# Allegro board F407_PACK_V10A.brd (continued)
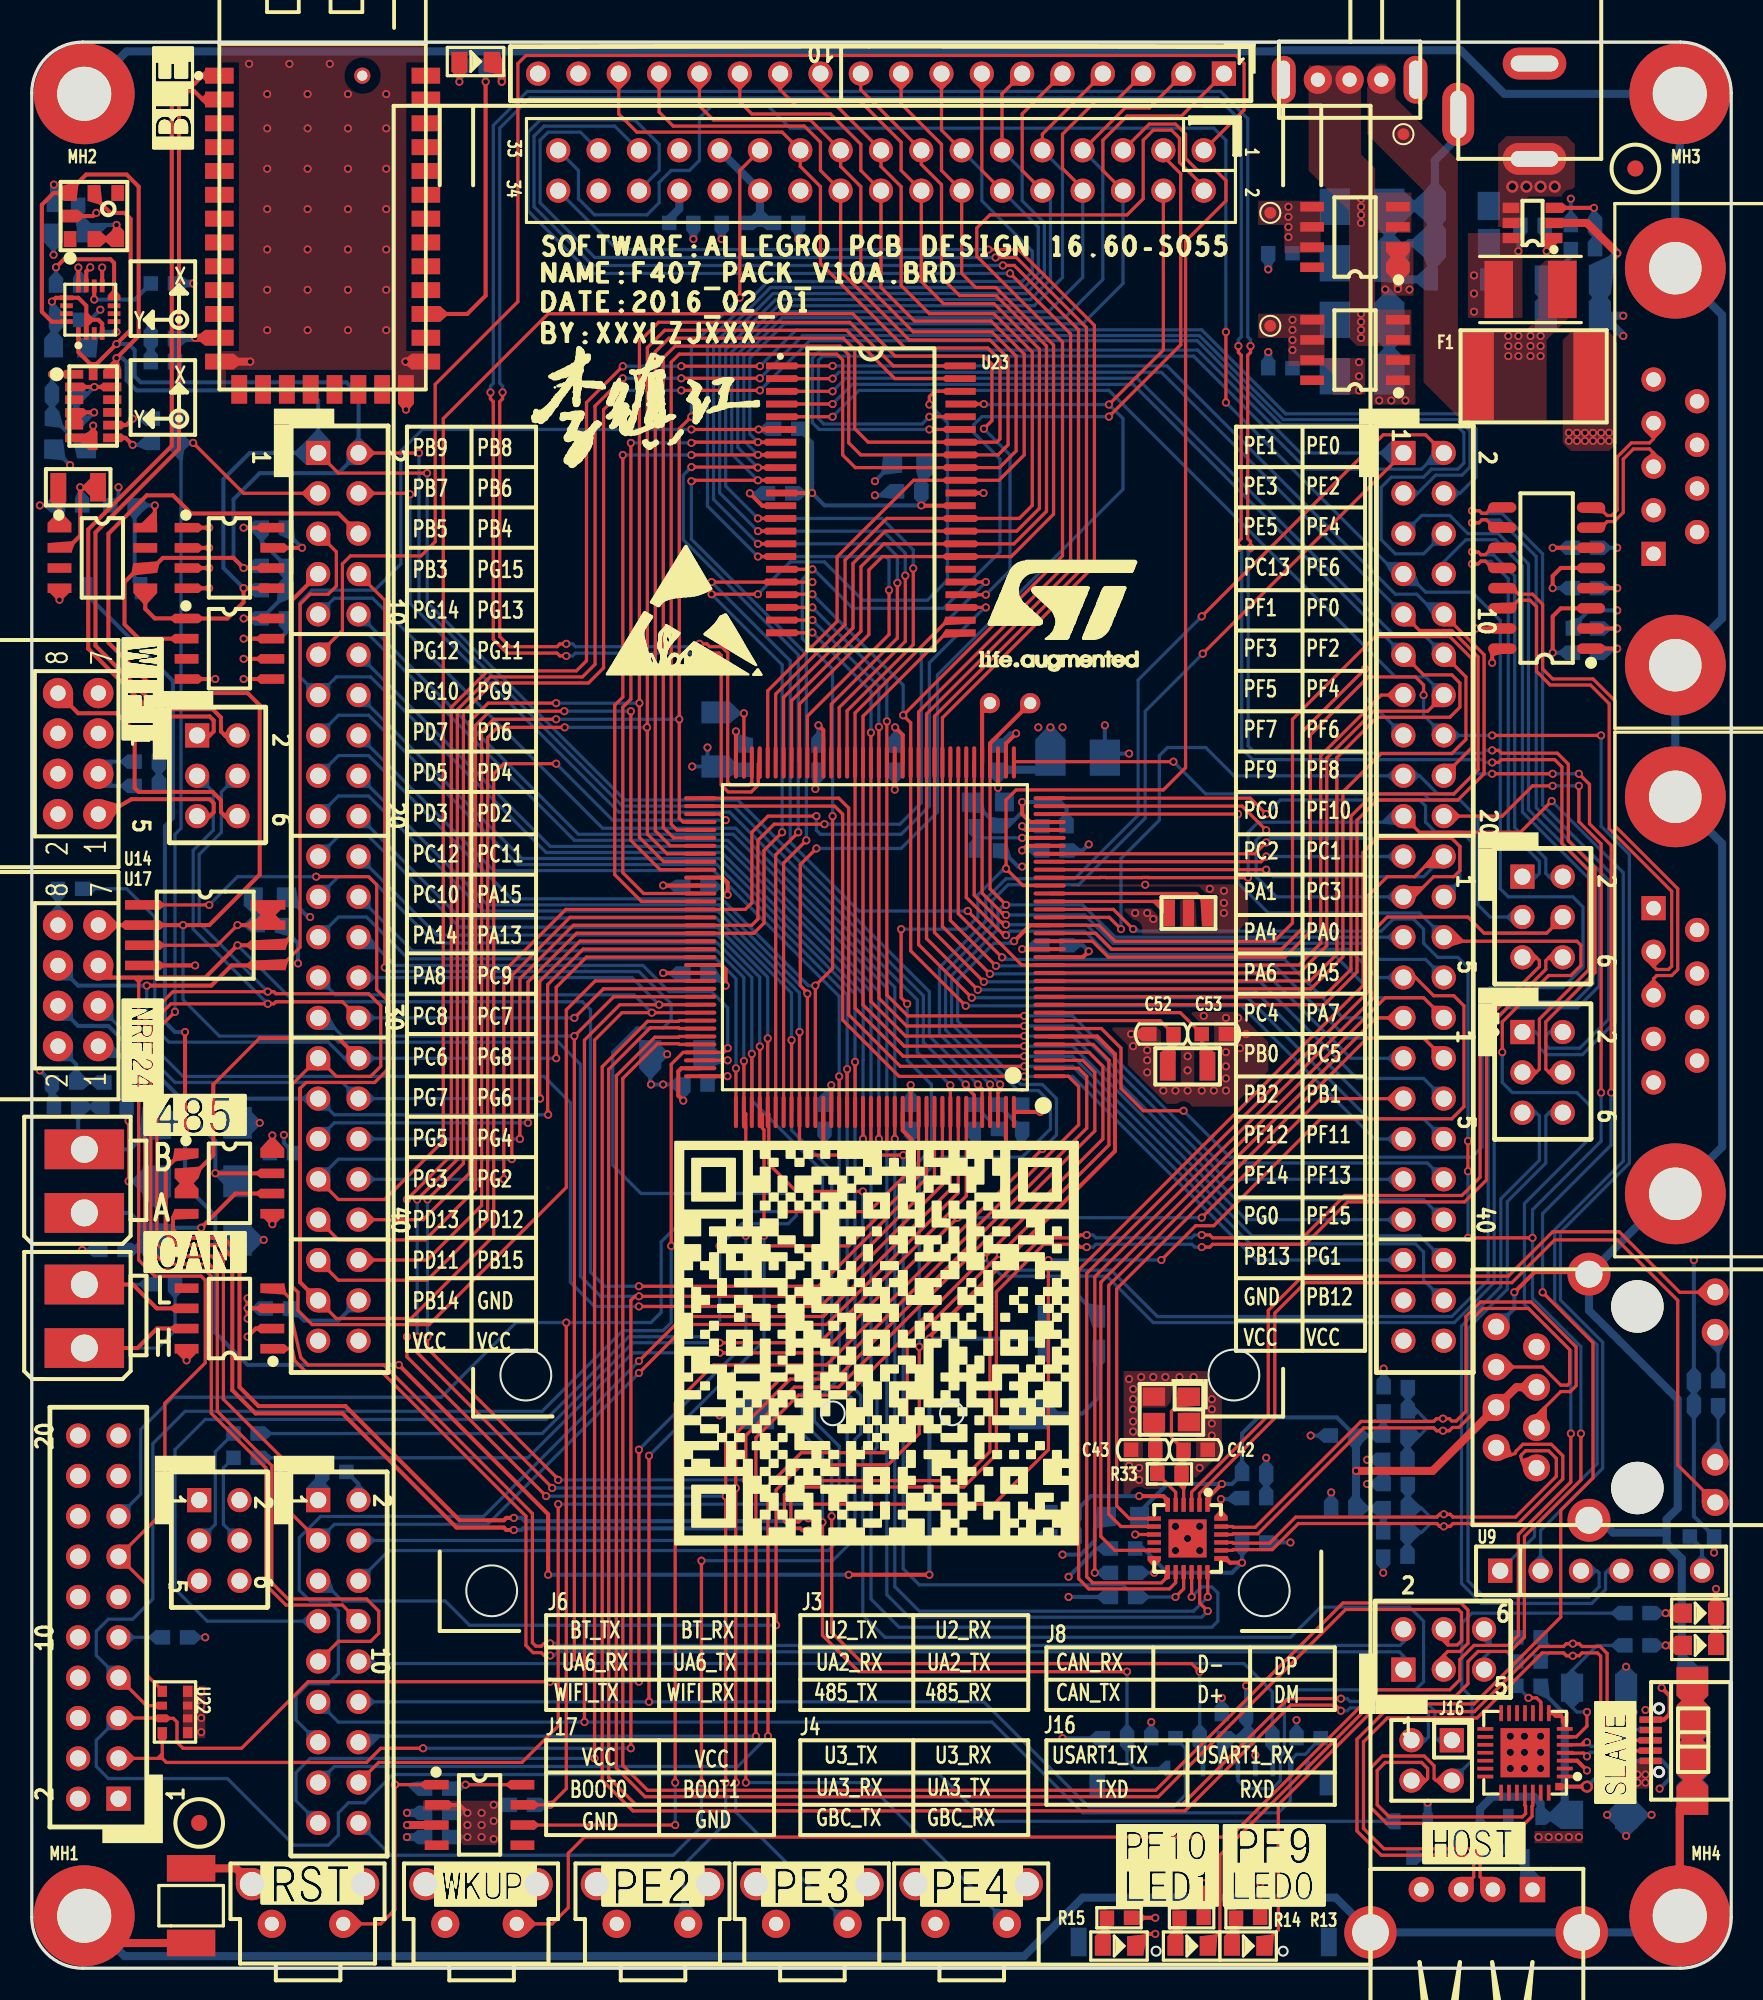
[diagram p0: board, top side]
## Routing (per net, layer and track width the routed paths; a pad name or vN(x,y) marks a point on that pad's centre or on a via; arc(x,y) is an arc through that point) (continued)
N11612127: length 2.2
  BOTTOM w0.508: USB3.1 93.98,5.46 93.98,6.99
N11615031: length 11.1
  TOP w0.254: v1(3.87,97.1) U16.7 3.67,96.33 U16.6 ; U16.1 v1(1.27,100.33)
  BOTTOM w0.254: v1(1.27,100.33) C32.2 C29.1 1.4,97.54 3.3,95.63 L3.1 3.87,96.04 v1(3.87,97.1)
N11623966: length 4.9
  TOP w0.203: U21.71 v1(44.84,78.99)
  BOTTOM w0.203: C58.1 43.11,78.99 v1(44.84,78.99)
N11629153:
  vias: v2(93.22,112.14) v2(94.11,112.14) v2(95,112.14) v2(95.89,112.14)
N11629321: length 1.7
  BOTTOM w0.254: v1(93.6,108.08) 93.6,109.6 C3.1
  vias: v1(90.81,106.55) v1(90.81,105.41) v1(90.81,104.27)
N11629345: length 5.1
  TOP w0.254: U2.3 v1(98.36,110.81)
  BOTTOM w0.254: R5.2 R4.1 98.36,109.79 v1(98.36,110.81)
N11637754: length 6.1
  TOP w0.203: v1(97.92,13.34) 97.71,13.54 96.62,13.54 96.59,13.56 U1.4
  BOTTOM w0.203: USB1.3 100.95,14.36 100.84,14.48 99.85,14.48 98.96,13.59 98.12,13.59 97.92,13.39 v1(97.92,13.34)
N11637758: length 6
  TOP w0.203: v1(97.92,14.22) 97.76,14.06 U1.5
  BOTTOM w0.203: USB1.2 100.99,15.01 100.84,14.86 99.69,14.86 98.81,13.97 98.17,13.97 v1(97.92,14.22)
N11638713: length 9.9
  TOP w0.203: U1.6 97.24,14.56 97.92,15.24 v1(97.92,16.13)
  BOTTOM w0.203: v1(97.92,16.13) 97.28,16.13 96.98,16.43 C2.1 96.98,18.75 98.55,20.32 R2.1
N11638764: length 2.7
  TOP w0.203: v1(94.23,17.02) 94.74,17.02 95.01,16.75 U1.9
  BOTTOM w0.203: v1(94.23,17.02) R3.1
N11638791: length 2.2
  TOP w0.203: v1(102.87,20.32) D2.1
  BOTTOM w0.203: R2.2 v1(102.87,20.32)
N11655091: length 7.3
  TOP w0.254: v1(1.52,107.06) 2.03,107.57 4.95,107.57 5.18,107.34 U18.8
  BOTTOM w0.254: v1(1.52,107.06) C37.2
N11655103: length 2.3
  TOP w0.254: U18.12 v1(2.93,107.05)
  BOTTOM w0.254: v1(2.93,107.05) 2.93,106.03 C37.1
N11655143: length 4.8
  TOP w0.254: U18.10 v1(3.93,105.03)
  BOTTOM w0.254: C36.2 6.48,105.03 v1(3.93,105.03)
N11655207: length 9
  TOP w0.254: 3.43,103.76 3.43,104.64 2.93,105.14 U18.13 1.51,105.14 v1(1.27,104.9) ; 3.43,103.76 4.19,103.76 4.43,103.52 U18.4 ; 3.43,103.76 U18.2
  BOTTOM w0.254: v1(1.27,104.9) 1.27,104.01 C35.1 1.37,103.61 L4.2
N11658313: length 2.3
  BOTTOM w0.254: U17.8 1.65,67.94
N11662281: length 6.5
  TOP w0.254: v1(5.33,109.73) 5.33,108.92 U19.3 U19.2
  BOTTOM w0.254: v1(5.33,109.73) 3.96,109.73 L5.2 2.92,109.75 C38.1
N109658590: length 2.3
  TOP w0.254: D11.1 v1(26.92,118.75)
  BOTTOM w0.254: R18.2 26.92,119.63 v1(26.92,118.75)
N115355290: length 5.9
  BOTTOM w0.203: J17.4 12.06,27.94 12.06,31.5 R43.1
N115355295: length 7.6
  BOTTOM w0.203: J17.3 11.56,27.94 11.56,32.51 R42.2
N115971308: length 2.9
  TOP w0.254: 98.17,84.33 v1(99.82,84.33)
  BOTTOM w0.254: v1(99.82,84.33) C17.2
N116149477: length 2.8
  TOP w0.254: v1(6.35,95.89) 5.91,96.33 U16.8
  BOTTOM w0.254: v1(6.35,95.89) 7.49,95.89 R22.1
N116149478: length 2.7
  TOP w0.254: v1(6.35,97.54) 5.94,97.13 U16.9
  BOTTOM w0.254: v1(6.35,97.54) R21.1
N116292693: length 2.9
  TOP w0.254: v1(95.38,108.08) 95.38,108.71 95.57,108.91 U2.1
  BOTTOM w0.254: C3.2 95.38,109.6 v1(95.38,108.08)
N116389271: length 2.2
  TOP w0.203: v1(102.87,22.35) D1.1
  BOTTOM w0.203: R1.2 v1(102.87,22.35)
N117249130: length 7.8
  BOTTOM w0.254: U26.1 66.17,34.92 67.18,35.94 D13.1

## Copper pours and planes (outline as drawn; the poured copper is in the pictures)
GND on TOP (solid shape): 70.08,2.13 70.17,2.09 70.21,2 69.98,0.79 69.45,1.37 68.96,2.01
GND on TOP (solid shape): 13.91,5.25 12.85,5.29 12.85,6.06 12.92,6.24 13.1,6.31 13.86,6.31
GND on TOP (solid shape): 29.82,119.43 29.75,119.23 29.57,119.15 28.45,119.41 28.91,120.06 29.46,120.62
GND on BOTTOM (solid shape): 14.45,53.29 14.48,53.21 14.45,53.14 13.85,52.54 12.92,53.21 13.85,53.89
GND on BOTTOM (solid shape): 14.59,45.93 14.62,45.85 14.59,45.77 13.85,45.03 12.92,45.85 13.85,46.66
GND on BOTTOM (solid shape): 39.64,56.64 39.02,55.97 38.94,55.94 38.86,55.97 38.24,56.64 38.94,57.56
GND on BOTTOM (solid shape): 100.31,19.08 100.38,19.1 100.45,19.08 100.99,18.54 100.38,17.62 99.77,18.54
GND on BOTTOM (solid shape): 100.99,8.76 100.45,8.23 100.38,8.2 100.31,8.23 99.77,8.76 100.38,9.68
GND on BOTTOM (solid shape): 101.81,9.73 101.84,9.65 101.81,9.57 101.08,8.84 100.35,9.65 101.08,10.47
GND on BOTTOM (solid shape): 45.38,36.66 45.46,36.69 45.54,36.66 46.28,35.92 45.54,34.89 44.73,35.91
GND on BOTTOM (solid shape): 45.57,34.93 44.36,34.15 43.61,34.71 43.57,34.79 43.6,34.88 44.34,35.61
GND on BOTTOM (solid shape): 85.34,105.63 85.47,105.66 85.6,105.63 86.34,104.9 85.47,103.7 84.6,104.9
GND on BOTTOM (solid shape): 88.2,112.47 88.33,112.51 88.47,112.47 89.03,111.81 88.33,110.86 87.63,111.81
GND on BOTTOM (solid shape): 88.2,110.13 88.34,110.17 88.48,110.13 89.04,109.47 88.34,108.52 87.64,109.47
GND on BOTTOM (solid shape): 89.03,110.03 88.48,109.37 88.34,109.33 88.2,109.37 87.63,110.03 88.33,110.99
GND on BOTTOM (solid shape): 98.59,105.56 98.73,105.6 98.87,105.56 99.43,104.9 98.73,103.95 98.03,104.9
GND on BOTTOM (solid shape): 99.43,105.41 98.87,104.75 98.73,104.71 98.59,104.75 98.03,105.41 98.73,106.36
GND on BOTTOM (solid shape): 44.68,75.52 44.7,75.42 44.65,75.33 43.88,74.97 43.02,75.65 43.94,76.25
GND on BOTTOM (solid shape): 85.33,109.3 85.47,109.35 85.61,109.3 86.42,108.46 85.47,107.25 84.52,108.46
GND on BOTTOM (solid shape): 85.33,102.19 85.47,102.23 85.61,102.19 86.42,101.35 85.47,100.14 84.52,101.35
GND on BOTTOM (solid shape): 86.42,109.73 85.61,108.88 85.47,108.84 85.33,108.88 84.52,109.73 85.47,110.93
GND on BOTTOM (solid shape): 86.42,102.62 85.61,101.77 85.47,101.73 85.33,101.77 84.52,102.62 85.47,103.82
GND on BOTTOM (solid shape): 87.27,111.07 87.31,110.93 87.27,110.79 86.42,109.93 85.41,110.87 86.4,111.85
GND on BOTTOM (solid shape): 88.4,110.92 87.63,110.03 86.79,110.77 86.74,110.92 86.79,111.07 87.63,111.81
GND on BOTTOM (solid shape): 88.4,108.58 87.64,107.7 86.8,108.44 86.75,108.58 86.8,108.73 87.64,109.47
GND on BOTTOM (solid shape): 86.61,108.71 86.8,108.63 86.87,108.44 86.42,106.17 85.43,107.27 84.52,108.46
GND on BOTTOM (solid shape): 86.74,106.31 86.67,106.13 86.5,106.05 84.52,106.17 85.43,107.36 86.42,108.46
GND on BOTTOM (solid shape): 89.04,107.7 88.28,106.85 88.1,106.81 87.94,106.9 87.64,107.7 88.35,108.65
GND on BOTTOM (solid shape): 99.36,107.8 99.58,107.76 99.68,107.56 99.43,105.41 98.7,106.24 98.03,107.19
GND on TOP: 77.85,58.29 75.95,60.2 67.82,60.2 67.31,59.69 67.31,58.55 71.63,54.23 75.82,54.23 77.85,56.26
GND on TOP: 11.94,121.16 11.94,99.31 24.77,99.31 24.77,121.16
GND on TOP: 65.28,68.58 75.69,68.58 76.58,67.69 76.58,65.91 75.31,64.64 67.44,64.64 65.28,66.8
GND on TOP: 68.33,37.59 68.33,29.84 74.93,29.84 74.93,37.59
GND on TOP, BOTTOM: 84.45,101.6 84.45,98.42 87.12,98.42 87.12,101.6
GND on TOP, BOTTOM: 84.96,108.71 84.96,105.28 87,105.28 87,108.71
GND on BOTTOM: 92.08,15.49 92.08,11.56 96.01,11.56 96.01,15.49
GND on BOTTOM: 67.94,60.33 76.07,60.33 77.85,58.55 77.85,56.26 75.82,54.23 71.63,54.23 67.31,58.55 67.31,59.69
GND on BOTTOM: 67.44,64.64 65.28,66.8 65.28,68.58 75.69,68.58 76.45,67.82 76.45,65.79 75.31,64.64 ; 1 cut-out
GND on BOTTOM: 11.81,121.16 11.81,99.31 24.77,99.31 24.77,121.16
GND on BOTTOM: 71.37,28.45 71.37,25.65 74.3,25.65 74.3,28.45
GND on BOTTOM: 68.33,37.59 68.33,29.84 74.93,29.84 74.93,37.59 ; 1 cut-out
GND on L02_GND: 3.94,0 0,3.94 0,117.35 3.94,121.28 103.12,121.28 107.06,117.35 107.06,43.94 90.68,43.94 90.68,27.94 107.06,27.94 107.06,4.06 103,0 ; 4 cut-outs
GND_EARTH on TOP (solid shape): 104.42,17.4 104.55,17.44 104.69,17.4 105.55,16.55 104.55,15.59 103.56,16.55
GND_EARTH on TOP (solid shape): 104.42,14.9 104.55,14.94 104.69,14.9 105.55,14.05 104.55,13.09 103.56,14.05
GND_EARTH on TOP (solid shape): 104.42,12.3 104.55,12.34 104.69,12.3 105.55,11.45 104.55,10.49 103.56,11.45
GND_EARTH on TOP (solid shape): 105.55,17.15 104.69,16.3 104.55,16.26 104.42,16.3 103.56,17.15 104.55,18.11
GND_EARTH on TOP (solid shape): 105.55,14.75 104.69,13.9 104.55,13.86 104.42,13.9 103.56,14.75 104.55,15.71
GND_EARTH on TOP (solid shape): 105.55,12.25 104.69,11.4 104.55,11.36 104.42,11.4 103.56,12.25 104.55,13.21
GND_EARTH on BOTTOM (solid shape): 104.42,17.3 104.55,17.34 104.69,17.3 105.55,16.45 104.55,15.49 103.56,16.45
GND_EARTH on BOTTOM (solid shape): 104.42,14.8 104.55,14.84 104.69,14.8 105.55,13.95 104.55,12.99 103.56,13.95
GND_EARTH on BOTTOM (solid shape): 104.42,12.4 104.55,12.44 104.69,12.4 105.55,11.55 104.55,10.59 103.56,11.55
GND_EARTH on BOTTOM (solid shape): 105.55,17.25 104.69,16.4 104.55,16.36 104.42,16.4 103.56,17.25 104.55,18.21
GND_EARTH on BOTTOM (solid shape): 105.55,14.65 104.69,13.8 104.55,13.76 104.42,13.8 103.56,14.65 104.55,15.61
GND_EARTH on BOTTOM (solid shape): 105.55,12.15 104.69,11.3 104.55,11.26 104.42,11.3 103.56,12.15 104.55,13.11
GND_EARTH on BOTTOM (solid shape): 103.65,19.77 103.8,19.93 104.02,19.9 104.88,19.05 104.58,18.09 103.58,18.81
VCC2_3V3 on TOP: 24.64,10.54 29.34,10.54 29.46,10.41 29.46,8 29.21,7.75 27.18,7.75 26.92,8 26.92,9.78 26.8,9.91 24.64,9.91
VCC2_3V3 on TOP: 81.92,99.06 81.92,100.33 81.41,100.84 79.12,100.84 79.12,102.62 77.22,102.62 77.22,104.14 81.41,104.14 81.41,101.35 83.95,101.35 83.95,99.06
VCC2_3V3 on BOTTOM: 78.87,101.35 78.87,99.06 83.95,99.06 83.95,101.35
VCC2_3V3 on BOTTOM: 25.78,10.29 27.94,10.29 28.45,10.79 30.61,10.79 30.61,8.13 30.23,7.75 25.78,7.75
VCC2_3V3 on L03_VCC: 26.67,7.37 26.67,10.67 27.81,10.67 35.31,18.16 35.31,102.87 36.96,104.52 79.38,104.52 79.76,104.14 79.76,101.73 79.38,101.35 78.74,101.35 76.33,103.76 37.59,103.76 36.2,102.36 36.2,17.78 29.84,11.43 29.84,7.37
VCC_3V3 on BOTTOM (solid shape): 2.12,95.04 2.08,94.95 1.99,94.91 0.77,95.03 1.35,95.65 1.97,96.23
VCC_3V3 on BOTTOM (solid shape): 4.05,102.73 4.14,102.69 4.18,102.6 4.05,101.38 3.43,101.96 2.86,102.58
VCC_3V3 on BOTTOM (solid shape): 17.95,30.96 18.03,30.99 18.12,30.96 18.8,30.23 18.03,29.43 17.27,30.23
VCC_3V3 on BOTTOM (solid shape): 54.23,94.76 54.8,94.15 53.61,93.99 53.52,94.03 53.48,94.12 53.61,95.34
VCC_3V3 on BOTTOM (solid shape): 67.69,28.47 68.26,27.85 67.07,27.7 66.98,27.74 66.94,27.83 67.07,29.04
VCC_3V3 on BOTTOM (solid shape): 16.85,66.85 16.82,66.75 16.73,66.71 15.43,66.84 16,67.46 16.62,68.03
VCC_3V3 on BOTTOM (solid shape): 63.99,78.19 64.14,78.23 64.28,78.19 65.09,77.34 64.14,76.14 63.18,77.34
VCC_3V3 on BOTTOM (solid shape): 67.58,41.72 67.21,41 66.78,40.32 66.36,41.69 66.38,41.8 66.48,41.85
VCC_3V3 on TOP: 78.87,107.95 78.87,109.73 77.22,109.73 77.22,111.25 81.15,111.25 81.15,107.95
VCC_3V3 on TOP, BOTTOM: 9.53,17.78 9.53,14.48 10.92,14.48 10.92,17.78
VCC_3V3 on BOTTOM: 63.12,78.36 63.12,75.06 65.15,75.06 65.15,78.36
VCC_3V3 on BOTTOM: 78.87,106.17 78.87,111.25 79.88,111.25 79.88,108.46 83.06,108.46 83.06,106.17
VCC_3V3 on L03_VCC: 3.94,0 0,3.94 0,117.35 3.94,121.28 103.12,121.28 107.06,117.35 107.06,43.94 90.68,43.94 90.68,27.94 107.06,27.94 107.06,4.06 103,0 ; 3 cut-outs
VCC_5V on BOTTOM (solid shape): 97.04,9.66 96.28,8.76 95.45,9.36 95.39,9.51 95.43,9.66 96.28,10.52
VCC_5V on TOP: 97.66,8.64 97.66,7.87 94.61,7.87 94.61,8.64
VCC_5V on TOP: 83.44,102.11 82.93,102.62 82.93,110.62 80.39,113.16 80.39,119.76 83.31,119.76 83.69,119.38 83.69,114.17 84.58,113.28 84.58,111.76 86.87,111.76 86.87,109.22 84.58,109.22 84.58,104.39 86.87,104.39 86.87,102.11
VCC_5V on BOTTOM: 81.15,112.14 81.15,109.22 84.07,109.22 84.07,112.14
VCC_5V on BOTTOM: 97.66,10.54 97.66,7.87 94.61,7.87 94.61,10.54
VCC_5V on BOTTOM: 81.15,104.9 81.15,102.23 84.07,102.23 84.07,104.9
VCC_5V on L03_VCC: 13.21,40.89 13.21,43.31 13.59,43.69 25.4,43.69 26.16,44.45 26.16,106.68 29.97,110.49 38.99,110.49 39.62,111.12 39.62,112.52 40.13,113.03 41.27,113.03 41.91,112.39 41.91,111.25 42.67,110.49 76.83,110.49 78.61,112.27 83.57,112.27 84.07,111.76 84.07,109.73 83.82,109.47 30.86,109.47 27.69,106.3 27.69,42.67 25.53,40.51 13.59,40.51
VCC_5V on L03_VCC: 97.41,7.87 71.88,7.87 65.53,14.22 65.53,86.74 83.31,104.52 84.07,104.52 84.07,102.11 83.44,102.11 68.45,87.12 68.45,16 74.55,9.91 96.65,9.91 97.66,8.89 97.66,8.13
VCC_5VOUT on BOTTOM (solid shape): 95.25,105.57 95.33,105.6 95.41,105.57 96.02,104.9 95.33,103.98 94.63,104.9
VCC_5VOUT on BOTTOM (solid shape): 96.02,105.41 95.41,104.74 95.33,104.71 95.25,104.74 94.63,105.41 95.33,106.33
VCC_5VOUT on TOP: 85.22,119.89 84.71,119.89 84.07,119.25 84.07,115.44 87.63,111.89 87.63,99.82 90.04,97.41 95.38,97.41 95.38,102.49 96.77,103.89 97.28,103.89 97.28,107.57 95.38,107.57 94.87,107.06 94.87,103.89 93.98,103 90.04,103 89.79,103.25 89.79,113.79 85.85,117.73 85.85,119.25
VCC_5VOUT on BOTTOM: 96.39,108.58 96.39,107.57 96.14,107.31 94.61,107.31 94.61,103.76 93.85,103 92.58,103 92.58,101.22 95.38,101.22 95.38,102.49 96.14,103.25 96.14,106.17 97.41,107.44 97.41,108.58
VCC_LAN8720A on BOTTOM: 68.96,29.21 68.96,26.04 70.36,26.04 70.36,29.21
VCC_VDDA on BOTTOM (solid shape): 60.03,72.83 60,72.73 59.91,72.68 58.56,72.81 59.13,73.43 59.75,74
VCC_VUSB on TOP: 99.19,103.12 97.03,103.12 96.39,102.49 96.39,96.01 96.9,95.5 99.31,95.5 99.82,96.01 99.82,102.49
VCC_VUSB on TOP: 101.98,13.21 100.58,13.21 99.44,12.06 99.44,11.81 99.95,11.3 101.73,11.3 101.98,11.56
VCC_VUSB on BOTTOM: 99.82,12.45 99.82,11.43 101.85,11.43 101.85,12.45
VCC_VUSB on BOTTOM: 101.98,15.49 99.95,15.49 99.69,15.75 99.69,16.26 99.95,16.51 101.73,16.51 101.98,16.26
VCC_VUSB on L03_VCC: 99.95,16.51 99.44,16 99.44,11.81 99.95,11.3 101.73,11.3 101.98,11.56 101.98,16.26 101.73,16.51
VCC_VUSB on L03_VCC: 101.73,13.46 101.73,21.34 99.31,23.75 90.42,23.75 84.58,29.59 84.58,92.84 85.85,94.11 97.79,94.11 99.82,96.14 99.82,102.49 99.19,103.12 97.03,103.12 96.39,102.49 96.39,100.71 93.98,98.3 82.3,98.3 80.01,96.01 80.01,20.83 84.45,16.38 97.41,16.38 99.69,14.1 99.69,13.59 99.82,13.46
FSMC_NBL1 on BOTTOM (solid shape): 86.39,95.38 85.6,94.61 84.88,95.31 84.86,95.38 84.88,95.44 85.6,96.14
IIC_SDA on BOTTOM (solid shape): 17.95,96.87 18.03,96.9 18.12,96.87 18.8,96.14 18.03,95.35 17.27,96.14
IIC_SDA on BOTTOM (solid shape): 18.07,95.38 17.27,94.61 16.54,95.3 16.51,95.38 16.54,95.46 17.27,96.14
LED0 on TOP (solid shape): 78.1,2.13 78.18,2.1 78.21,2.03 78.11,0.79 77.58,1.38 77.09,2.01
LED1 on TOP (solid shape): 74.55,2.13 74.62,2.1 74.65,2.03 74.55,0.79 74.03,1.38 73.53,2.01
W25QXX_SPI_CLK on TOP (solid shape): 16.05,64.82 16.14,64.77 16.17,64.67 15.97,64.09 14.75,64.36 13.77,64.69
W25QXX_SPI_MOSI on TOP (solid shape): 16.05,63.52 16.12,63.49 16.15,63.41 15.97,62.82 14.77,63.09 13.77,63.42
WIFI_TXD on TOP (solid shape): 5.53,73.26 5.61,73.18 5.6,73.06 5.09,72.35 4.16,72.63 4.45,73.56
N11517097 on TOP (solid shape): 74.38,67.27 74.07,66.33 73.68,65.57 73.58,67.29 73.61,67.36 73.68,67.39
N11546552 on TOP (solid shape): 72.88,35.99 73.56,35.4 72.11,35.3 72.03,35.33 72.01,35.41 72.16,36.55
N11600615 on BOTTOM (solid shape): 7.9,49.53 6.97,48.75 6.26,49.47 6.24,49.53 6.26,49.59 6.97,50.31
N11600615 on BOTTOM (solid shape): 8.69,48.53 7.95,47.79 7.87,47.77 7.8,47.79 7.06,48.53 7.87,49.56
N11600615 on BOTTOM (solid shape): 8.77,46.85 7.9,45.82 6.97,44.85 6.75,46.84 6.78,46.93 6.87,46.97
N11600619 on BOTTOM (solid shape): 9.51,53.29 9.54,53.21 9.51,53.13 8.77,52.4 7.84,53.21 8.77,54.03
N11600619 on BOTTOM (solid shape): 7.9,53.24 8.77,52.21 6.87,52.09 6.78,52.13 6.75,52.22 6.97,54.21
N11612127 on BOTTOM (solid shape): 93.74,6.47 93.89,6.63 94.12,6.6 94.97,5.75 94.51,4.89 93.69,5.51
N11615031 on BOTTOM (solid shape): 4.05,96.23 3.48,95.61 2.86,95.03 2.58,96.21 2.61,96.31 2.71,96.35
N11623966 on BOTTOM (solid shape): 44.65,79.05 44.68,78.98 44.65,78.92 43.94,78.35 43.03,79.05 43.94,79.74
N11629153 on TOP: 92.84,115.32 96.65,115.32 97.16,114.81 97.16,112.14 96.52,111.51 94.23,111.51 93.85,111.12 93.85,109.6 92.33,109.6 92.33,114.81
N11629153 on BOTTOM: 90.93,113.41 90.93,107.82 92.58,107.82 92.58,110.62 93.47,111.51 96.52,111.51 97.16,112.14 97.16,114.81 96.65,115.32 92.84,115.32
N11629321 on TOP: 90.42,109.22 90.42,103.89 93.85,103.89 93.85,109.22
N11629321 on BOTTOM: 90.42,103.89 90.42,106.93 92.08,106.93 92.08,103.89
N11662281 on BOTTOM (solid shape): 2.79,110.46 2.87,110.57 3,110.55 3.92,109.63 3.47,109.19 2.86,108.62
N11662281 on BOTTOM (solid shape): 4.69,109.85 4.8,109.78 4.78,109.65 3.88,108.74 3.42,109.21 2.86,109.82
N117249130 on BOTTOM (solid shape): 64.67,35 64.7,34.92 64.67,34.85 63.94,34.11 62.7,34.92 63.94,35.74
GND on TOP (solid shape): 2.35,86.56 1.82,86.04 1.75,86.01 1.67,86.04 1.14,86.56 1.75,86.89
GND on TOP (solid shape): 2.59,97.95 2.67,97.98 2.75,97.95 3.24,97.41 2.67,97.1 2.09,97.41
GND on TOP (solid shape): 3.24,97.66 2.75,97.11 2.67,97.08 2.59,97.11 2.09,97.66 2.67,97.96
GND on TOP (solid shape): 10.36,38.69 9.82,38.16 9.75,38.13 9.67,38.16 9.13,38.69 9.75,39.03
GND on TOP (solid shape): 13.18,101.24 13.21,101.13 13.18,101.01 12.71,100.63 11.75,101.13 12.71,101.63
GND on TOP (solid shape): 24.06,98.48 23.67,98 23.56,97.98 23.45,98 23.06,98.48 23.56,99.44
GND on TOP (solid shape): 24.87,101.13 23.91,100.63 23.44,101.01 23.41,101.13 23.44,101.24 23.91,101.63
GND on TOP (solid shape): 105.97,23.44 106.05,23.47 106.12,23.44 106.55,22.96 106.05,22.32 105.54,22.96
GND on TOP (solid shape): 105.97,21.41 106.05,21.44 106.12,21.41 106.55,20.93 106.05,20.29 105.54,20.93
GND on TOP (solid shape): 106.55,21.74 106.12,21.26 106.05,21.23 105.97,21.26 105.54,21.74 106.05,22.38
GND on TOP (solid shape): 85.87,108.07 86.01,108.12 86.15,108.07 86.76,107.37 86.01,107 85.26,107.37
GND on TOP (solid shape): 86.76,108.04 86.15,107.33 86.01,107.29 85.87,107.33 85.26,108.04 86.01,108.4
GND on TOP (solid shape): 86.76,106.77 86.15,106.06 86.01,106.02 85.87,106.06 85.26,106.77 86.01,107.13
GND on BOTTOM (solid shape): 40.11,57.6 40.13,57.53 40.11,57.46 39.64,56.98 38.91,57.53 39.64,58.08
GND on BOTTOM (solid shape): 100.41,9.65 99.68,8.98 99.08,9.58 99.06,9.65 99.08,9.73 99.68,10.33
GND on BOTTOM (solid shape): 20.48,30.45 20.57,30.49 20.66,30.45 21.11,30 20.57,29.43 20.04,30
GND on BOTTOM (solid shape): 88.2,106.3 87.74,105.6 87.08,106.16 87.04,106.3 87.08,106.44 87.74,107
GND on BOTTOM (solid shape): 16.33,65.07 16.29,64.98 16.19,64.95 15.29,65.2 15.73,65.68 16.21,66.12
GND on BOTTOM (solid shape): 16.59,89.97 16.54,89.87 16.43,89.84 15.54,90.22 15.98,90.7 16.46,91.14
GND on BOTTOM (solid shape): 16.97,41.09 16.94,40.99 16.84,40.94 15.8,41.07 16.23,41.55 16.71,41.99
GND on BOTTOM (solid shape): 61.67,69.92 61.64,69.82 61.54,69.77 60.5,69.9 60.94,70.38 61.42,70.82
GND on BOTTOM (solid shape): 97.47,85.04 97.57,85.01 97.61,84.91 97.49,83.87 97.01,84.3 96.57,84.79
GND on BOTTOM (solid shape): 43.5,62.2 43.49,62.08 43.38,62.03 42.09,62.15 42.52,62.63 43,63.07
GND on BOTTOM (solid shape): 54.51,92.97 54.03,92.51 53.4,92.59 53.32,92.68 53.34,92.79 54.03,93.42
GND on BOTTOM (solid shape): 5.67,57.5 5.69,57.36 5.58,57.29 4.39,57.29 4.16,58.05 5.1,58.12
VCC_3V3 on TOP (solid shape): 11.87,102.63 10.91,102.13 10.44,102.51 10.41,102.63 10.44,102.74 10.91,103.13
VCC_3V3 on TOP (solid shape): 15.06,52.32 15.15,52.35 15.23,52.32 15.9,51.6 15.15,51.27 14.4,51.6
VCC_3V3 on BOTTOM (solid shape): 1.97,108.62 1.45,108.05 1.37,108.03 1.29,108.05 0.77,108.62 1.37,109.25
VCC_3V3 on BOTTOM (solid shape): 105.07,26.01 105.16,26.04 105.25,26.01 105.69,25.56 105.16,24.99 104.62,25.56
VCC_3V3 on BOTTOM (solid shape): 15.07,52.35 15.17,52.38 15.25,52.32 15.44,51.77 14.98,51.28 14.53,51.77
VCC_3V3 on BOTTOM (solid shape): 16.02,86.77 16.46,86.28 15.58,85.91 15.47,85.93 15.42,86.03 15.54,87.2
VCC_3V3 on BOTTOM (solid shape): 44.37,77.55 44.42,77.64 44.52,77.67 45.42,77.42 44.98,76.94 44.5,76.5
VCC_3V3 on BOTTOM (solid shape): 49.99,74.98 49.42,74.36 49.31,74.33 49.22,74.4 49.07,74.98 49.54,75.47
VCC_3V3 on BOTTOM (solid shape): 75.51,14.02 74.92,13.37 74.81,13.35 74.72,13.42 74.6,14.02 75.06,14.51
VCC_3V3 on BOTTOM (solid shape): 18.75,30.78 18.11,30.1 18,30.08 17.91,30.16 17.83,30.78 18.3,31.27
VCC_3V3 on BOTTOM (solid shape): 59.77,52.37 59.74,51.71 59.66,51.62 59.53,51.64 58.85,52.37 59.3,52.86
VCC_3V3 on BOTTOM (solid shape): 63.66,64.4 63.17,63.93 62.55,64.03 62.48,64.11 62.5,64.23 63.17,64.85
VCC_3V3 on BOTTOM (solid shape): 50.26,55.55 50.39,55.56 50.46,55.45 50.37,53.9 49.9,54.33 49.46,54.75
VCC_3V3 on BOTTOM (solid shape): 45.67,110.67 45.85,110.74 46.03,110.67 46.66,110.03 46.1,109.79 45.59,109.79 45.03,110.03
VCC_5V on BOTTOM (solid shape): 95.58,17.07 95.53,16.97 95.42,16.95 94.54,17.32 94.98,17.81 95.45,18.24
VCC_LAN8720A on TOP (solid shape): 94.81,36.57 94.14,35.97 93.72,36.39 93.65,36.57 93.72,36.75 94.14,37.17
VCC_VDDA on BOTTOM (solid shape): 61.42,72.34 60.99,71.86 60.5,71.42 60.25,72.32 60.28,72.42 60.38,72.47
VCC_VDDA on BOTTOM (solid shape): 61.86,72.39 61.96,72.32 61.95,72.19 61.28,71.51 60.93,71.87 60.5,72.34
ADXL345_INT on TOP (solid shape): 18.06,92.84 17.5,92.3 17.03,92.77 17,92.84 17.03,92.91 17.5,93.38
ADXL345_INT on BOTTOM (solid shape): 9.6,95.55 9.49,94.91 9.43,94.85 9.33,94.87 8.69,95.55 9.14,96.04
BOOT1 on TOP (solid shape): 86.39,54.74 85.82,54.2 85.35,54.67 85.32,54.74 85.35,54.81 85.82,55.28
BOOT1 on BOTTOM (solid shape): 86.39,54.74 85.82,54.2 85.35,54.67 85.32,54.74 85.35,54.81 85.82,55.28
CAN_RX on TOP (solid shape): 16.02,42.51 15.99,42.43 15.92,42.4 14.4,42.5 15.05,42.84 15.9,43.1
DCMI_D5 on TOP (solid shape): 21.58,92.91 21.61,92.84 21.58,92.77 21.11,92.3 20.55,92.84 21.11,93.38
DCMI_D6 on BOTTOM (solid shape): 21.88,14.71 21.96,14.64 21.94,14.53 21.11,13.71 20.55,14.22 21.05,14.79
DCMI_HREF on BOTTOM (solid shape): 86.39,64.9 85.82,64.36 85.35,64.83 85.32,64.9 85.35,64.97 85.82,65.44
DCMI_PCLK on BOTTOM (solid shape): 86.39,62.36 85.82,61.82 85.35,62.29 85.32,62.36 85.35,62.43 85.82,62.9
DCMI_RESET on BOTTOM (solid shape): 18.06,21.84 17.5,21.31 17.03,21.77 17,21.84 17.03,21.92 17.5,22.38
DCMI_SCL on BOTTOM (solid shape): 21.58,27 21.61,26.92 21.58,26.85 21.11,26.39 20.55,26.92 21.11,27.46
ETH_MDC on TOP (solid shape): 88.92,69.99 88.87,69.25 87.71,69.25 87.62,69.3 87.63,69.41 88.16,70.04
FSMC_A5 on TOP (solid shape): 86.39,80.14 85.82,79.6 85.35,80.07 85.32,80.14 85.35,80.21 85.82,80.68
FSMC_A6 on BOTTOM (solid shape): 86.39,52.2 85.82,51.66 85.35,52.13 85.32,52.2 85.35,52.27 85.82,52.74
FSMC_A8 on BOTTOM (solid shape): 86.39,49.66 85.82,49.12 85.35,49.59 85.32,49.66 85.35,49.73 85.82,50.2
FSMC_A10 on TOP (solid shape): 58.58,84.08 59.43,83.84 57.37,83.74 57.29,83.78 57.27,83.88 57.53,84.27
FSMC_A10 on BOTTOM (solid shape): 86.39,47.12 85.82,46.58 85.35,47.04 85.32,47.12 85.35,47.19 85.82,47.66
FSMC_A11 on TOP (solid shape): 58.58,84.88 59.43,84.64 57.46,84.54 57.39,84.57 57.36,84.66 57.53,85.07
FSMC_A12 on BOTTOM (solid shape): 21.58,49.73 21.61,49.66 21.58,49.59 21.11,49.12 20.55,49.66 21.11,50.2
FSMC_A14 on BOTTOM (solid shape): 21.58,52.27 21.61,52.2 21.58,52.13 21.11,51.66 20.55,52.2 21.11,52.74
FSMC_A17 on TOP (solid shape): 21.58,47.19 21.61,47.12 21.58,47.05 21.11,46.58 20.55,47.12 21.11,47.66
FSMC_D6 on TOP (solid shape): 60.36,118.71 59.89,118.25 59.82,118.22 59.75,118.25 59.28,118.71 59.82,119.28
FSMC_D7 on TOP (solid shape): 57.82,118.71 57.35,118.25 57.28,118.22 57.21,118.25 56.74,118.71 57.28,119.28
FSMC_D8 on TOP (solid shape): 55.28,118.71 54.81,118.25 54.74,118.22 54.67,118.25 54.2,118.71 54.74,119.28
FSMC_D10 on TOP (solid shape): 50.2,118.71 49.73,118.25 49.66,118.22 49.59,118.25 49.12,118.71 49.66,119.28
FSMC_D11 on TOP (solid shape): 47.66,118.71 47.19,118.25 47.12,118.22 47.05,118.25 46.58,118.71 47.12,119.28
FSMC_D12 on TOP (solid shape): 45.12,118.71 44.65,118.25 44.58,118.22 44.51,118.25 44.04,118.71 44.58,119.28
FSMC_D13 on TOP (solid shape): 42.58,118.71 42.11,118.25 42.04,118.22 41.97,118.25 41.5,118.71 42.04,119.28
FSMC_D14 on TOP (solid shape): 40.04,118.71 39.57,118.25 39.5,118.22 39.43,118.25 38.96,118.71 39.5,119.28
FSMC_D15 on TOP (solid shape): 37.5,118.71 37.03,118.25 36.96,118.22 36.89,118.25 36.42,118.71 36.96,119.28
GBC_KEY on BOTTOM (solid shape): 89.91,77.67 89.94,77.6 89.91,77.53 89.44,77.06 88.87,77.6 89.44,78.14
GBC_KEY on BOTTOM (solid shape): 94.92,26.02 95,26.05 95.07,26.02 95.53,25.56 95,24.99 94.46,25.56
GBC_LED on BOTTOM (solid shape): 86.38,72.52 85.88,71.95 85.05,72.03 84.97,72.1 84.99,72.21 85.82,73.04
GBC_RX on BOTTOM (solid shape): 98.54,25.09 98.57,25.02 98.54,24.95 98.07,24.48 97.51,25.02 98.07,25.56
IIC_SCL on TOP (solid shape): 7.26,88.18 7.9,87.83 6.4,87.68 6.31,87.71 6.27,87.8 6.4,88.43
IIC_SCL on TOP (solid shape): 7.92,88.56 8.01,88.52 8.04,88.43 7.9,87.83 7.03,88.09 6.4,88.43
IIC_SCL on TOP (solid shape): 21.58,95.45 21.61,95.38 21.58,95.31 21.11,94.84 20.55,95.38 21.11,95.92
IIC_SCL on TOP (solid shape): 4.44,111.13 4.4,111.03 4.3,111 3.51,111.24 3.9,111.77 4.31,112.24
IIC_SCL on BOTTOM (solid shape): 20.48,96.36 20.57,96.4 20.66,96.36 21.11,95.92 20.57,95.35 20.04,95.92
IIC_SDA on TOP (solid shape): 2.81,112.41 2.9,112.38 2.94,112.29 2.81,111.24 2.39,111.71 2.01,112.24
IIC_SDA on TOP (solid shape): 7.9,86.56 7.23,85.84 7.15,85.81 7.06,85.84 6.4,86.56 7.15,86.89
IIC_SDA on TOP (solid shape): 5.26,101.34 5.36,101.36 5.45,101.3 5.64,100.61 5.06,100.3 4.52,100.6
JTAG_TCLK on BOTTOM (solid shape): 6.47,20.9 6.5,20.83 6.47,20.76 6,20.29 5.44,20.83 6,21.37
JTAG_TMS on BOTTOM (solid shape): 21.82,64.3 21.83,64.19 21.74,64.14 20.57,64.14 20.55,64.91 21.31,64.96
KEY1 on BOTTOM (solid shape): 87.32,92.91 87.35,92.84 87.32,92.77 86.9,92.34 86.33,92.84 86.9,93.33
KEY2 on BOTTOM (solid shape): 89.91,92.91 89.94,92.84 89.91,92.77 89.44,92.3 88.87,92.84 89.44,93.38
KEY2 on BOTTOM (solid shape): 40.92,4.24 41,4.31 41.09,4.29 41.96,3.42 41.34,2.77 40.68,3.38
LCD_BL on TOP (solid shape): 21.58,44.65 21.61,44.58 21.58,44.51 21.11,44.04 20.55,44.58 21.11,45.12
LED0 on BOTTOM (solid shape): 86.39,75.06 85.82,74.52 85.35,74.99 85.32,75.06 85.35,75.13 85.82,75.6
LED0 on BOTTOM (solid shape): 87.37,75.13 87.4,75.06 87.37,74.99 86.9,74.52 86.33,75.06 86.9,75.6
LED1 on TOP (solid shape): 89.91,72.59 89.94,72.52 89.91,72.45 89.44,71.98 88.87,72.52 89.44,73.06
LINK_LED on TOP (solid shape): 106.02,42.57 105.39,41.96 104.84,42.47 104.81,42.54 104.84,42.62 105.39,43.17
NRF_CE on BOTTOM (solid shape): 21.58,54.81 21.61,54.74 21.58,54.67 21.11,54.2 20.55,54.74 21.11,55.28
NRF_CS on BOTTOM (solid shape): 18.07,54.74 17.5,54.2 17.05,54.65 17.01,54.74 17.05,54.83 17.5,55.28
NRF_IRQ on TOP (solid shape): 9.66,49.78 9.75,49.81 9.83,49.78 10.5,49.06 9.75,48.73 9,49.06
NRF_IRQ on TOP (solid shape): 10.5,49.73 9.83,49.01 9.75,48.98 9.66,49.01 9,49.73 9.75,50.06
NRF_IRQ on TOP (solid shape): 10.58,50.46 10.68,50.42 10.71,50.32 10.5,49.73 9.63,49.99 9,50.33
NRF_IRQ on BOTTOM (solid shape): 20.6,57.28 20.04,56.78 19.61,57.21 19.58,57.28 19.61,57.35 20.04,57.77
NRF_IRQ on BOTTOM (solid shape): 21.58,57.35 21.61,57.28 21.58,57.21 21.11,56.74 20.55,57.28 21.11,57.82
PB0 on BOTTOM (solid shape): 86.39,57.28 85.82,56.74 85.35,57.21 85.32,57.28 85.35,57.35 85.82,57.82
PB13 on BOTTOM (solid shape): 86.39,44.58 85.82,44.04 85.35,44.51 85.32,44.58 85.35,44.65 85.82,45.12
PC2 on BOTTOM (solid shape): 86.39,69.98 85.82,69.44 85.35,69.91 85.32,69.98 85.35,70.05 85.82,70.52
PC14 on TOP (solid shape): 71.82,58.38 71.92,58.4 71.98,58.32 72.02,57.57 71.52,56.74 71.1,57.67
PC15 on TOP (solid shape): 73.56,58.32 73.63,58.4 73.72,58.38 74.44,57.67 74.03,56.74 73.52,57.57
RMII_REFCLK on BOTTOM (solid shape): 86.39,67.44 85.82,66.9 85.35,67.37 85.32,67.44 85.35,67.51 85.82,67.98
RMII_RX0 on TOP (solid shape): 86.39,59.82 85.82,59.28 85.35,59.75 85.32,59.82 85.35,59.89 85.82,60.36
RMII_RX0 on BOTTOM (solid shape): 86.39,59.82 85.82,59.28 85.35,59.75 85.32,59.82 85.35,59.89 85.82,60.36
RS485_RX on TOP (solid shape): 9.87,47.53 10.5,47.19 8.89,47.11 8.79,47.16 8.77,47.26 9,47.79
RS485_TX on TOP (solid shape): 9.86,51.36 10.5,51 9,50.78 8.91,50.81 8.87,50.91 9,51.6
RXD on TOP (solid shape): 87.83,11.88 87.86,11.81 87.83,11.74 87.41,11.32 86.84,11.81 87.41,12.3
SDIO_CMD on BOTTOM (solid shape): 73.99,14.02 73.83,13.42 73.76,13.36 73.67,13.38 73.08,14.02 73.53,14.5
SDIO_D0 on BOTTOM (solid shape): 21.71,19.25 21.74,19.16 21.69,19.09 21.09,18.75 20.55,19.31 21.11,19.84
SDIO_D1 on BOTTOM (solid shape): 21.58,62.43 21.61,62.36 21.58,62.29 21.11,61.82 20.55,62.36 21.11,62.9
SDIO_D3 on BOTTOM (solid shape): 21.58,16.84 21.61,16.76 21.58,16.69 21.11,16.23 20.55,16.76 21.11,17.3
TPRX+ on TOP (solid shape): 95.22,35.4 95.33,35.42 95.39,35.32 95.39,34.23 94.73,34.01 94.67,34.85
TPRX- on TOP (solid shape): 93.33,37.91 93.36,37.84 93.33,37.77 92.8,37.24 92.18,37.84 92.8,38.44
TPTX+ on TOP (solid shape): 94.76,31.48 93.96,31.26 93.74,31.91 93.74,31.99 93.8,32.04 94.45,32.26
TPTX- on TOP (solid shape): 93.21,32.34 93.2,32.26 93.14,32.21 92.49,31.99 92.18,32.77 92.99,32.99
TXD on TOP (solid shape): 89.43,11.81 88.87,11.27 88.4,11.74 88.37,11.81 88.4,11.88 88.87,12.35
USART2_RX on BOTTOM (solid shape): 93.88,66.17 93.31,65.63 92.85,66.1 92.82,66.17 92.85,66.24 93.31,66.71
USART6_RX on BOTTOM (solid shape): 21.58,59.89 21.61,59.82 21.58,59.75 21.11,59.28 20.55,59.82 21.11,60.36
USB_D+ on TOP (solid shape): 88.83,19.76 88.9,19.79 88.97,19.76 89.39,19.33 88.9,18.77 88.41,19.33
USB_PWR on TOP (solid shape): 6.47,15.82 6.5,15.75 6.47,15.68 6,15.21 5.44,15.75 6,16.29
W25QXX_SPI_MISO on TOP (solid shape): 5.45,65.75 5.49,65.66 5.45,65.57 4.86,64.99 4.16,65.66 4.86,66.33
W25QXX_SPI_MISO on TOP (solid shape): 6.47,13.28 6.5,13.21 6.47,13.14 6,12.67 5.44,13.21 6,13.75
WK_UP on TOP (solid shape): 31.72,2.87 31.75,2.79 31.72,2.72 31.16,2.17 30.51,2.79 31.16,3.42
WK_UP on TOP (solid shape): 90.16,64.71 90.19,64.62 90.12,64.55 89.4,64.33 88.88,64.9 89.44,65.44
N10964059 on TOP (solid shape): 4.2,93.22 3.67,92.67 3.2,93.15 3.17,93.22 3.2,93.29 3.67,93.77
N10964059 on TOP (solid shape): 2.58,89.83 2.68,89.79 2.71,89.69 2.5,89.1 1.63,89.36 1,89.7
N10964377 on TOP (solid shape): 14.79,66.69 14.87,66.72 14.95,66.69 15.69,65.96 14.87,65.63 14.06,65.96
N10964377 on TOP (solid shape): 15.69,66.63 14.95,65.89 14.87,65.87 14.79,65.89 14.06,66.63 14.87,66.96
N10964377 on BOTTOM (solid shape): 14.54,66.93 14.34,66.15 14.26,66.08 14.15,66.1 13.41,66.84 13.94,67.47
N10965727 on TOP (solid shape): 26.19,104.2 26.21,104.13 26.19,104.05 25.71,103.63 24.78,104.13 25.71,104.63
N10988251 on BOTTOM (solid shape): 27.35,11.65 27.41,11.58 27.39,11.49 26.75,10.85 26.26,11.3 26.75,11.76
N10988379 on TOP (solid shape): 20.8,2.87 20.83,2.79 20.8,2.72 20.24,2.17 19.59,2.79 20.24,3.42
N10988379 on BOTTOM (solid shape): 24.79,11.3 24.31,10.85 23.62,11.49 23.6,11.58 23.67,11.65 24.31,11.76
N11518115 on BOTTOM (solid shape): 43.75,57.21 43.77,57.13 43.72,57.06 42.98,56.8 42.32,57.54 43.04,57.93
N11524608 on BOTTOM (solid shape): 56.82,94.15 56.09,93.41 55.98,93.39 55.89,93.46 55.69,94.24 56.29,94.77
N11546564 on TOP (solid shape): 71.36,33.8 70.81,33.1 70.74,33.07 70.67,33.09 69.96,33.8 70.65,34.4
N11550641 on BOTTOM (solid shape): 106.61,39.45 106.26,38.74 106.19,38.69 106.1,38.72 105.39,39.43 105.99,40.05
N11550645 on BOTTOM (solid shape): 106.1,33.17 106.19,33.19 106.26,33.14 106.61,32.43 105.99,31.83 105.39,32.46
N11556832 on TOP (solid shape): 1.66,91.69 1.75,91.72 1.83,91.69 2.5,90.97 1.75,90.64 1,90.97
N11556832 on TOP (solid shape): 2.17,92.32 1.84,91.78 1.75,91.74 1.67,91.77 1.17,92.32 1.67,93.25
N11557131 on TOP (solid shape): 7.67,91.71 7.79,91.73 7.87,91.63 7.89,90.85 7.13,90.65 6.93,90.97
N11560624 on TOP (solid shape): 75.74,2.74 75.85,2.76 75.94,2.69 76.07,2.01 75.56,1.37 75.06,2.01
N11560628 on TOP (solid shape): 72.18,2.74 72.29,2.76 72.38,2.69 72.52,2.01 72,1.37 71.5,2.01
N11560632 on TOP (solid shape): 67.61,2.74 67.72,2.76 67.81,2.69 67.95,2.01 67.43,1.37 66.93,2.01
N11597010 on BOTTOM (solid shape): 99.64,83.18 99.72,83.09 99.69,82.98 99.01,82.35 98.52,82.8 99.01,83.26
N11597652 on TOP (solid shape): 102.04,62.24 102.11,62.27 102.18,62.24 102.65,61.78 102.11,61.21 101.57,61.78
N11597726 on TOP (solid shape): 102.63,63.44 102.18,63 102.11,62.97 102.04,63 101.59,63.44 102.11,64.01
N11598207 on TOP (solid shape): 102.65,96.72 102.18,96.25 102.11,96.22 102.04,96.25 101.57,96.72 102.11,97.28
N11600615 on BOTTOM (solid shape): 7.9,45.86 7.08,44.97 6.3,45.09 6.22,45.18 6.24,45.29 6.97,46.03
N11600619 on BOTTOM (solid shape): 12.98,49.52 12.05,49.36 11.46,49.96 11.44,50.06 11.51,50.15 12.14,50.32
N11615031 on TOP (solid shape): 3.9,96.12 3.59,95.56 2.86,96.25 2.83,96.35 2.89,96.44 3.59,96.7
N11615031 on BOTTOM (solid shape): 1.98,97.1 1.95,97 1.85,96.95 0.81,97.08 1.25,97.56 1.73,97.99
N11615031 on BOTTOM (solid shape): 3.79,96.96 3.91,96.98 3.99,96.89 4.04,96.11 3.44,95.6 3.05,96.23
N11638713 on BOTTOM (solid shape): 97.45,16.76 97.04,16.35 96.98,16.33 96.92,16.35 96.5,16.76 96.98,17.68
N11638791 on TOP (solid shape): 104.04,20.32 103.51,19.71 102.92,20.26 102.9,20.32 102.92,20.39 103.51,20.93
N11655207 on BOTTOM (solid shape): 1.29,103.15 1.37,103.17 1.45,103.15 1.97,102.58 1.37,101.95 0.77,102.58
N11655207 on BOTTOM (solid shape): 1.98,103.3 1.45,102.72 1.35,102.69 1.26,102.75 1.07,103.3 1.53,103.79
N11655207 on BOTTOM (solid shape): 1.15,104.84 1.24,104.92 1.35,104.9 1.98,104.22 1.53,103.73 1.07,104.22
N11658313 on BOTTOM (solid shape): 1.56,66.92 1.65,66.95 1.74,66.92 2.32,66.33 1.65,65.63 0.98,66.33
N109658590 on TOP (solid shape): 27.43,119.41 27,118.92 26.92,118.9 26.85,118.92 26.42,119.41 26.92,120.05
N116292693 on TOP (solid shape): 95.86,108.93 96.19,108.71 95.46,107.98 95.32,107.96 95.25,108.07 95.31,109.23
N116389271 on TOP (solid shape): 104.04,22.35 103.51,21.74 102.92,22.29 102.9,22.35 102.92,22.42 103.51,22.96

Small or netless copper shapes (teardrops, artwork), in the pictures only: 679 on TOP, 787 on BOTTOM

## Text on the board
Ref Des/Silkscreen Bottom: PB9 | PB7 | PB5 | PB3 | PG14 | PG12 | PG10 | PD7 | PD5 | PD3 | PC12 | PC10 | PA14 | PA8 | PC8 | PC6 | PG7 | PG5 | PG3 | PD13 | PD11 | PB14 | VCC | PB8 | PB6 | PB4 | PG15 | PG13 | PG11 | PG9 | PD6 | PD4 | PD2 | PC11 | PA15 | PA13 | PC9 | PC7 | PG8 | PG6 | PG4 | PG2 | PD12 | PB15 | GND | PE1 | PE3 | PE5 | PC13 | PF1 | PF3 | PF5 | PF7 | PF9 | PC0 | PC2 | PA1 | PA4 | PA6 | PC4 | PB0 | PB2 | PF12 | PF14 | PG0 | PB13 | PE0 | PE2 | PE4 | PE6 | PF0 | PF2 | PF4 | PF6 | PF8 | PF10 | PC1 | PC3 | PA0 | PA5 | PA7 | PC5 | PB1 | PF11 | PF13 | PF15 | PG1 | PB12 | PD10 | PD9 | PD8 | PE15 | PE14 | PE13 | PE12 | PE11 | PE10 | PE9 | PE8 | PE7 | PD1 | PD0 | PD15 | PD14
Ref Des/Silkscreen Top: Y | X | PB9 | PB7 | PB5 | PB3 | PG14 | PG12 | PG10 | PD7 | PD5 | PD3 | PC12 | PC10 | PA14 | PA8 | PC8 | PC6 | PG7 | PG5 | PG3 | PD13 | PD11 | PB14 | VCC | PB8 | PB6 | PB4 | PG15 | PG13 | PG11 | PG9 | PD6 | PD4 | PD2 | PC11 | PA15 | PA13 | PC9 | PC7 | PG8 | PG6 | PG4 | PG2 | PD12 | PB15 | GND | J17 | J6 | WIFI_TX | UA6_RX | BT_TX | BOOT0 | WIFI_RX | UA6_TX | BT_RX | BOOT1 | J4 | J3 | 485_TX | UA2_RX | UA3_RX | GBC_TX | U2_TX | U3_TX | 485_RX | UA2_TX | UA3_TX | GBC_RX | U2_RX | U3_RX | J16 | J8 | USART1_TX | CAN_RX | CAN_TX | TXD | USART1_RX | D- | D+ | RXD | PE1 | PE3 | PE5 | PC13 | PF1 | PF3 | PF5 | PF7 | PF9 | PC0 | PC2 | PA1 | PA4 | PA6 | PC4 | PB0 | PB2 | PF12 | PF14 | PG0 | PB13 | DP | DM | PE0 | PE2 | PE4 | PE6 | PF0 | PF2 | PF4 | PF6 | PF8 | PF10 | PC1 | PC3 | PA0 | PA5 | PA7 | PC5 | PB1 | PF11 | PF13 | PF15 | PG1 | PB12 | B | A | H | L
DEVICE_TYPE_BOTTOM: FIGURE | SIZE | 0.3048 | 0.4572 | 0.635 | 0.762 | 0.889 | 0.9 | 0.9144 | 0.9652 | 1.0008 | 1.016 | 1.524 | 1.7 | 2.3 | 3.302 | 3.4036 | 3.3 | 2.4x0.8 | 3.0x1.0 | DRILL CHART: TOP to BOTTOM | ALL UNITS ARE IN MILLIMETERS | PLATED | NON-PLATED | QTY | 652 | 19 | 1 | 2 | 13 | 3 | 18 | 16 | 12 | 210 | 10 | 4
